# Altium PCB keyboard_main.PcbDoc (part 1 of 2) (continued)
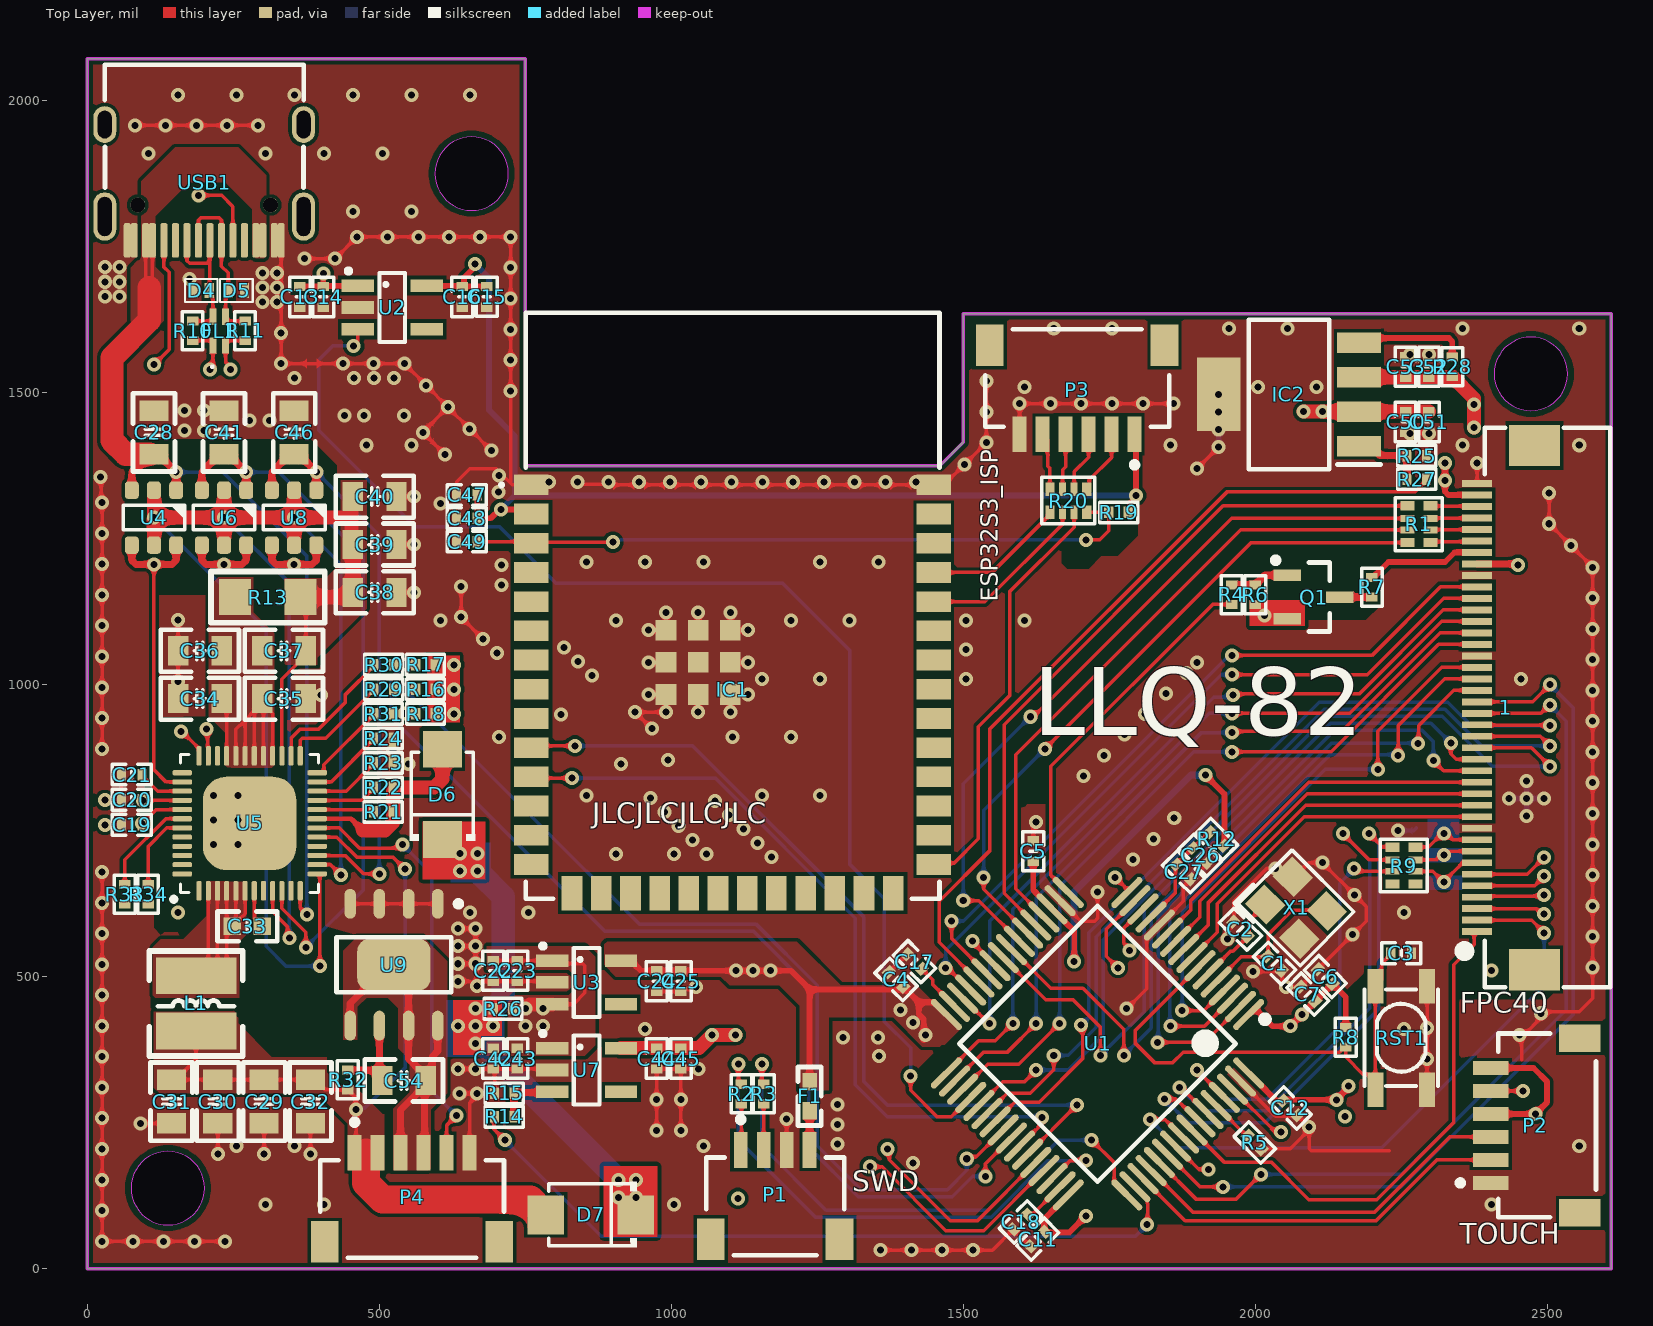
[diagram p0: Top Layer view]
## Components (designator, comment, footprint, x,y, rotation, side; value= is the part's Value field where it differs from the comment)
1 "FPC1.0-40P" "FPC0.5 2H-WS-40P" 2478.31,960.75 r90 top locked
C1 "22pF" "C 0402_L" 2033.24,522.56 r315 top
C2 "22pF" "C 0402_L" 1974.78,581.02 r135 top
C3 "0.1uF" "C 0402_L" 2250,540 r0 top
C4 "0.1uF" "C 0402_L" 1385,495 r315 top
C5 "0.1uF" "C 0402_L" 1620,715 r270 top
C6 "0.1uF" "C 0402_L" 2120,500 r315 top
C7 "0.1uF" "C 0402_L" 2090,470 r315 top
C8 "47pF" "C 0402_L" 2360,755 r180 bottom
C9 "47pF" "C 0402_L" 2360,708.34 r180 bottom
C10 "47pF" "C 0402_L" 2360,661.67 r180 bottom
C11 "0.1uF" "C 0402_L" 1627.5,50.43 r45 top
C12 "2.2uF" "C 0402_L" 2060,275 r135 top
C13 "4.7uF" "C 0402_L" 364,1663.94 r270 top
C14 "0.1uF" "C 0402_L" 404,1663.94 r270 top
C15 "4.7uF" "C 0402_L" 684,1664 r270 top
C16 "0.1uF" "C 0402_L" 642,1663.94 r270 top
C17 "2.2uF" "C 0402_L" 1416.46,525.61 r315 top
C18 "2.2uF" "C 0402_L" 1598.18,79.75 r45 top
C19 "330pF" "C 0402_L" 76,760 r180 top
C20 "330pF" "C 0402_L" 76,803 r180 top
C21 "330pF" "C 0402_L" 76,846 r180 top
C22 "4.7uF" "C 0402_L" 695,509.68 r270 top
C23 "0.1uF" "C 0402_L" 736.33,509.68 r270 top
C24 "4.7uF" "C 0402_L" 975,492.28 r270 top
C25 "0.1uF" "C 0402_L" 1016.43,492.28 r270 top
C26 "4.7uF" "C 0402_L" 1905.68,707.75 r315 top
C27 "0.1uF" "C 0402_L" 1877.4,679.47 r315 top
C28 "22uF" "C 0805_L" 114,1432 r270 top
C29 "22uF" "C 0805_L" 302.67,286 r90 top
C30 "22uF" "C 0805_L" 223.33,286 r90 top
C31 "22uF" "C 0805_L" 144,286 r90 top
C32 "0.1uF" "C 0805_L" 382,286 r90 top
C33 "0.1uF" "C 0603_L" 274,586 r180 top
C34 "22uF" "C 0805_L" 192.6,976 r0 top
C35 "22uF" "C 0805_L" 336.6,976 r180 top
C36 "22uF" "C 0805_L" 192.6,1058.01 r0 top
C37 "0.1uF" "C 0805_L" 336.6,1058.01 r0 top
C38 "22uF" "C 0805_L" 492,1158 r180 top
C39 "22uF" "C 0805_L" 492,1240 r180 top
C40 "0.1uF" "C 0805_L" 492,1322 r180 top
C41 "22uF" "C 0805_L" 234,1432 r270 top
C42 "4.7uF" "C 0402_L" 695,359.68 r270 top
C43 "0.1uF" "C 0402_L" 736.33,359.68 r270 top
C44 "4.7uF" "C 0402_L" 975,359.68 r270 top
C45 "0.1uF" "C 0402_L" 1016.43,359.68 r270 top
C46 "22uF" "C 0805_L" 354,1432 r270 top
C47 "0.1uF" "C 0402_L" 650,1325 r0 top
C48 "4.7uF" "C 0402_L" 650,1285 r0 top
C49 "1uF" "C 0402_L" 650,1245 r180 top
C50 "4.7uF" "C 0402_L" 2257.63,1449.82 r270 top
C51 "0.1uF" "C 0402_L" 2297.62,1449.82 r270 top
C52 "4.7uF" "C 0402_L" 2297.62,1544.31 r90 top
C53 "0.1uF" "C 0402_L" 2257.62,1544.31 r90 top
C54 "0.1uF" "C 0805_L" 542.12,322 r180 top
D1 "PESD5V0F1BL,315" SOD-882_L1.0-W0.6-BI 2290,755 r180 bottom
D2 "PESD5V0F1BL,315" SOD-882_L1.0-W0.6-BI 2290,708.33 r180 bottom
D3 "PESD5V0F1BL,315" SOD-882_L1.0-W0.6-BI 2290,661.67 r180 bottom
D4 "PESD5V0F1BL,315" SOD-882_L1.0-W0.6-BI 195,1675 r180 top
D5 "PESD5V0F1BL,315" SOD-882_L1.0-W0.6-BI 255,1675 r0 top
D6 "SSL34F" SMAF_L3.5-W2.6-LS4.7-RD 608,812 r90 top
D7 "SSL34F" SMAF_L3.5-W2.6-LS4.7-RD 862,92 r180 top
F1 "0.6A" "FU 0402" 1236.91,295 r270 top
FL1 "DLP11SN900HL2B" DLP11SA350HL2B 225.83,1605.39 r90 top
IC1 "ESP32-S3-WROOM-1" ESP32S3WROOM1 1105,1135 r0 top
IC2 "LP3875EMP-3.3_NOPB" SOT150P700X180-5N 2057.62,1497.06 r180 top
L1 "2.2uH" CD32 186,454 r90 top
P1 "SWD" JST-SM04B-SRSS-TB_V 1177.86,106.54 r0 top
P2 "TOUCH" JST-SM06B-SRSS-TB_V 2500,245 r90 top
P3 "ESP32_ISP" JST-SM06B-SRSS-TB_V 1695,1525 r180 top
P4 "TOUCH" JST-SM06B-SRSS-TB_V 556,102 r0 top
Q1 "SS8550" SOT23-3N 2100,1150 r270 top
R1 "22R" RCA-8P4R-0402 2280.31,1274.84 r270 top
R2 "0R" "R 0402_L" 1120,300 r270 top
R3 "0R" "R 0402_L" 1158.18,300 r270 top
R4 "1K" "R 0402_L" 1960,1153.04 r90 top
R5 "10K" "R 0402_L" 1998.61,216.39 r315 top
R6 "10K" "R 0402_L" 2000,1155 r270 top
R7 "10R" "R 0402_L" 2200,1167.71 r270 top
R8 "10K" "R 0402_L" 2155,395 r90 top
R9 "0R" RCA-8P4R-0402 2254.69,690.16 r270 top
R10 "22R" "R 0402_L" 180,1605 r90 top
R11 "22R" "R 0402_L" 270,1605 r90 top
R12 "0R" "R 0402_L" 1935,735 r135 top
R13 "5mR" "R 1206_L" 308,1150 r0 top
R14 "10R" "R 0402_L" 713.04,260 r0 top
R15 "10K" "R 0402_L" 715,300 r180 top
R16 "4.7K" "R 0402_L" 580,992 r180 top
R17 "4.7K" "R 0402_L" 580,1034 r180 top
R18 "4.7K" "R 0402_L" 580,950 r180 top
R19 "10K" "R 0402_L" 1765,1295 r0 top
R20 "0R" RCA-8P4R-0402 1680,1315 r180 top
R21 "10K" "R 0402_L" 505.75,782 r0 top
R22 "10K" "R 0402_L" 505.75,824 r0 top
R23 "10K" "R 0402_L" 505.75,866 r0 top
R24 "0R" "R 0402_L" 505.75,908 r0 top
R25 "10K" "R 0402_L" 2277.62,1392.06 r180 top
R26 "0R" "R 0402_L" 710.75,445 r0 top
R27 "10R" "R 0402_L" 2277.62,1352.06 r180 top
R28 "0R" "R 0402_L" 2337.62,1545.29 r270 top
R29 "0R" "R 0402_L" 508.29,992 r180 top
R30 "0R" "R 0402_L" 508.75,1034.15 r180 top
R31 "0R" "R 0402_L" 508,950 r180 top
R32 "1K" "R 0402_L" 446,322 r90 top
R33 "0R" "R 0402_L" 64,642 r270 top
R34 "0R" "R 0402_L" 104,642 r270 top
R35 "0R" "R 0402_L" 75.02,760 r0 bottom
R36 "0R" "R 0402_L" 75.02,802 r0 bottom
RST1 "KEY_M" SMD-3.2*4.2 2250,395 r90 top
U1 "STM32F405RGT6_LQFP64" LQFP-64_10X10X05P 1730,385 r225 top locked
U2 "RT9013-33GB" SOT23-5M 522,1646 r270 top
U3 "RT9013-33GB" SOT23-5M 855,490 r270 top
U4 "UT8205A" SOT23-6 114,1286 r270 top
U5 "SW6208" QFN-48_6x6 277.87,762.45 r90 top
U6 "UT8205A" SOT23-6 234,1286 r270 top
U7 "RT9013-33GB" SOT23-5M 855,340 r270 top
U8 "UT8205A" SOT23-6 354,1286 r270 top
U9 "XB8886A" SO-8-PAD 525,520.33 r270 top
USB1 "USB_Type-C" Type-C-TOP 200,1860 r90 top locked
X1 "12M" "OSC 3225-4P" 2070.04,617.82 r315 top

## Footprints (in the part's own frame and the unit in brackets; to place one, negate y for a bottom-side part, rotate by r counter-clockwise, add the part's x,y. Pads: shape width x height; smd on the part's side, far side on the other; paste and mask are expansions set on the pad)
"C 0402_L" [mm] "无极性贴片电容         淘宝ID:黄晶宝石"
  rect 0.4x0.5 smd: 1(-0.45,0) 2(0.45,0)
  silkscreen extent -0.85,-0.45 0.85,0.45, body extent -0.5,-0.26 0.5,0.26, height 0.53
"C 0603_L" [mil] "无极性贴片电容                                       淘宝ID:黄晶宝石"
  rect 30x30 smd: 1(-25.59,0) 2(25.59,0)
  silkscreen extent -51,-26 51,26, body extent -31,-16 31,16, height 32
"C 0805_L" [mil] "无极性贴片电容                                        淘宝ID:黄晶宝石"
  rect 35x50 smd: 1(-37.4,0) 2(37.4,0)
  silkscreen extent -67,-36 67,36, body extent -39,-24 39,24, height 20
CD32 [mm] "3.5*3*2mm（长宽高）        淘宝ID:黄晶宝石"
  rect 1.6x3.5 smd: 1(-1.2,0) 2(1.2,0)
  silkscreen extent -2.29,-2.03 2.29,2.03, body extent -1.71,-1.5 1.71,1.5, height 2.15
DLP11SA350HL2B [mm]
  rect 0.7x0.3 smd: 1(-0.625,0.275) 2(0.625,0.275) 3(0.625,-0.275) 4(-0.625,-0.275)
  silkscreen extent -1.6,0.25 -1.5,0.35, body extent -0.63,-0.5 0.63,0.5, height 0.82
ESP32S3WROOM1 [mm]
  rect 1.5x0.9 smd: 1(-8.75,5.26) 2(-8.75,3.99) 3(-8.75,2.72) 4(-8.75,1.45) 5(-8.75,0.18) 6(-8.75,-1.09) 7(-8.75,-2.36) 8(-8.75,-3.63) 9(-8.75,-4.9) 10(-8.75,-6.17) 11(-8.75,-7.44) 12(-8.75,-8.71) 13(-8.75,-9.98) 14(-8.75,-11.25) 27(8.75,-11.25) 28(8.75,-9.98) 29(8.75,-8.71) 30(8.75,-7.44) 31(8.75,-6.17) 32(8.75,-4.9) 33(8.75,-3.63) 34(8.75,-2.36) 35(8.75,-1.09) 36(8.75,0.18) 37(8.75,1.45) 38(8.75,2.72) 39(8.75,3.99) 40(8.75,5.26)
  rect 0.9x1.5 smd: 15(-6.985,-12.5) 16(-5.715,-12.5) 17(-4.445,-12.5) 18(-3.175,-12.5) 19(-1.905,-12.5) 20(-0.635,-12.5) 21(0.635,-12.5) 22(1.905,-12.5) 23(3.175,-12.5) 24(4.445,-12.5) 25(5.715,-12.5) 26(6.985,-12.5)
  rect 0.9x0.9 smd: 41(-1.5,-2.46) 42(-1.5,-1.06) 43(-2.9,-1.06) 44(-2.9,-2.46) 45(-2.9,-3.86) 46(-1.5,-3.86) 47(-0.1,-3.86) 48(-0.1,-2.46) 49(-0.1,-1.06)
  silkscreen extent -10.1,-12.75 9,12.75, body extent -8.98,-12.78 9.04,12.73, height 3.11
"FPC0.5 2H-WS-40P" [mm] "长：24.2mm，宽：5.2mm，高：2mm 淘宝ID:黄晶宝石   店铺网址:https://shop463601444.taobao.com"
  rect 1.8x2.2 smd: 0(-11.4,0) 0(11.4,0)
  rect 0.3x1.3 smd: 1(-9.75,2.497) 2(-9.25,2.497) 3(-8.75,2.497) 4(-8.25,2.497) 5(-7.75,2.497) 6(-7.25,2.497) 7(-6.75,2.497) 8(-6.25,2.497) 9(-5.75,2.497) 10(-5.25,2.497) 11(-4.75,2.497) 12(-4.25,2.497) 13(-3.75,2.497) 14(-3.25,2.497) 15(-2.75,2.497) 16(-2.25,2.497) 17(-1.75,2.497) 18(-1.25,2.497) 19(-0.75,2.497) 20(-0.25,2.497) 21(0.25,2.497) 22(0.75,2.497) 23(1.25,2.497) 24(1.75,2.497) 25(2.25,2.497) 26(2.75,2.497) 27(3.25,2.497) 28(3.75,2.497) 29(4.25,2.497) 30(4.75,2.497) 31(5.25,2.497) 32(5.75,2.497) 33(6.25,2.497) 34(6.75,2.497) 35(7.25,2.497) 36(7.75,2.497) 37(8.25,2.497) 38(8.75,2.497) 39(9.25,2.497) 40(9.75,2.497)
  silkscreen extent -12.17,-3.3 12.17,3.23, body extent -12.1,-3.15 12.1,2.85, height 2
"FU 0402" [mil] "贴片保险丝          淘宝ID:黄晶宝石"
  rect 30x25 smd: 1(-25,0) 2(25,0)
  silkscreen extent -50,-20 50,20, body extent -20,-10 20,10, height 15
JST-SM04B-SRSS-TB_V [mm] "SMD, 4-Leads, Body 6x4.25mm, Pitch 1mm"
  rect 0.6x1.55 smd: 1(-1.5,2.45) 2(-0.5,2.45) 3(0.5,2.45) 4(1.5,2.45)
  rect 1.2x1.8 smd: MP1(-2.8,-1.425) MP2(2.8,-1.425)
  silkscreen extent -3,-2.12 3,3.9, body extent -3,-2.12 3,2.83, height 2.9
JST-SM06B-SRSS-TB_V [mm] "SMD, 6-Leads, Body 8x4.25mm, Pitch 1mm"
  rect 0.6x1.55 smd: 1(-2.5,2.45) 2(-1.5,2.45) 3(-0.5,2.45) 4(0.5,2.45) 5(1.5,2.45) 6(2.5,2.45)
  rect 1.2x1.8 smd: MP1(-3.8,-1.425) MP2(3.8,-1.425)
  silkscreen extent -4,-2.12 4,3.9, body extent -4,-2.12 4,2.83, height 2.9
LQFP-64_10X10X05P [mil]
  oval 70.7x11.02 smd: 1(-218.5,147.64) 2(-218.5,127.95) 3(-218.5,108.27) 4(-218.5,88.58) 5(-218.5,68.9) 6(-218.5,49.21) 7(-218.5,29.53) 8(-218.5,9.84) 9(-218.5,-9.84) 10(-218.5,-29.53) 11(-218.5,-49.21) 12(-218.5,-68.9) 13(-218.5,-88.58) 14(-218.5,-108.27) 15(-218.5,-127.95) 16(-218.5,-147.64) 33(218.5,-147.64) 34(218.5,-127.95) 35(218.5,-108.27) 36(218.5,-88.58) 37(218.5,-68.9) 38(218.5,-49.21) 39(218.5,-29.53) 40(218.5,-9.84) 41(218.5,9.84) 42(218.5,29.53) 43(218.5,49.21) 44(218.5,68.9) 45(218.5,88.58) 46(218.5,108.27) 47(218.5,127.95) 48(218.5,147.64)
  oval 11.02x70.7 smd: 17(-147.64,-218.5) 18(-127.95,-218.5) 19(-108.27,-218.5) 20(-88.58,-218.5) 21(-68.9,-218.5) 22(-49.21,-218.5) 23(-29.53,-218.5) 24(-9.84,-218.5) 25(9.84,-218.5) 26(29.53,-218.5) 27(49.21,-218.5) 28(68.9,-218.5) 29(88.58,-218.5) 30(108.27,-218.5) 31(127.95,-218.5) 32(147.64,-218.5) 49(147.64,218.5) 50(127.95,218.5) 51(108.27,218.5) 52(88.58,218.5) 53(68.9,218.5) 54(49.21,218.5) 55(29.53,218.5) 56(9.84,218.5) 57(-9.84,218.5) 58(-29.53,218.5) 59(-49.21,218.5) 60(-68.9,218.5) 61(-88.58,218.5) 62(-108.27,218.5) 63(-127.95,218.5) 64(-147.64,218.5)
  silkscreen extent -238,-167 167,179, body extent -232,-232 232,232, height 61
"OSC 3225-4P" [mm] "3.2*2.5*0.7mm(长宽高)                         淘宝ID:黄晶宝石"
  rect 1.3x1.2 smd: 1(-1.05,-0.85) 2(1.05,-0.85) 3(1.05,0.85) 4(-1.05,0.85)
  silkscreen extent -2.03,-1.75 1.91,1.65, body extent -1.6,-1.25 1.6,1.25, height 0.7
QFN-48_6x6 [mm]
  rrect50% 0.84x0.22 smd: 1(-2.935,2.2) 2(-2.935,1.8) 3(-2.935,1.4) 4(-2.935,1) 5(-2.935,0.6) 6(-2.935,0.2) 7(-2.935,-0.2) 8(-2.935,-0.6) 9(-2.935,-1) 10(-2.935,-1.4) 11(-2.935,-1.8) 12(-2.935,-2.2) 25(2.935,-2.2) 26(2.935,-1.8) 27(2.935,-1.4) 28(2.935,-1) 29(2.935,-0.6) 30(2.935,-0.2) 31(2.935,0.2) 32(2.935,0.6) 33(2.935,1) 34(2.935,1.4) 35(2.935,1.8) 36(2.935,2.2)
  rrect50% 0.22x0.84 smd: 13(-2.2,-2.935) 14(-1.8,-2.935) 15(-1.4,-2.935) 16(-1,-2.935) 17(-0.6,-2.935) 18(-0.2,-2.935) 19(0.2,-2.935) 20(0.6,-2.935) 21(1,-2.935) 22(1.4,-2.935) 23(1.8,-2.935) 24(2.2,-2.935) 37(2.2,2.935) 38(1.8,2.935) 39(1.4,2.935) 40(1,2.935) 41(0.6,2.935) 42(0.2,2.935) 43(-0.2,2.935) 44(-0.6,2.935) 45(-1,2.935) 46(-1.4,2.935) 47(-1.8,2.935) 48(-2.2,2.935)
  rrect50% 4.064x4.064 smd paste-3: 49(0,0)
  silkscreen extent -3.4,-3 3,3.4, body extent -3,-3 3,3, height 0.9
"R 0402_L" [mm] "1/16W贴片电阻     淘宝ID:黄晶宝石"
  rect 0.4x0.5 smd: 1(-0.4,0) 2(0.45,0)
  silkscreen extent -0.8,-0.45 0.85,0.45, body extent -0.5,-0.25 0.5,0.25, height 0.3
"R 1206_L" [mil] "1/4W贴片电阻"
  rect 55x62 smd: 1(-55.12,0) 2(57.09,0)
  silkscreen extent -96,-44 98,44, body extent -63,-31 63,32, height 22
RCA-8P4R-0402 [mm] "2mm*1mm*0.45mm(长*宽*厚)"
  rect 0.4x0.6 smd: 1(-0.8,-0.5) 4(0.8,-0.5) 5(0.8,0.5) 8(-0.8,0.5)
  rect 0.3x0.6 smd: 2(-0.25,-0.5) 3(0.25,-0.5) 6(0.25,0.5) 7(-0.25,0.5)
  silkscreen extent -1.14,-1.02 1.15,1.01, body extent -1,-0.5 1,0.5, height 0.45
SMAF_L3.5-W2.6-LS4.7-RD [mm]
  rect 1.6x1.7 smd: 1(-1.96,0) 2(1.96,0)
  silkscreen extent -2.01,-1.43 1.83,1.42, body extent -2.5,-1.27 2.6,1.33, height 2.15
SMD-3.2*4.2 [mm]
  rect 1.5x0.7 smd: 1(-2.25,1.125) 1(2.25,1.125) 2(-2.25,-1.125) 2(2.25,-1.125)
  silkscreen extent -2.1,-1.6 2.1,1.6, body extent -2.73,-1.6 2.47,1.58, height 1.8
SO-8-PAD [mm]
  oval 1.3x0.5 smd: 1(-2.65,1.905) 2(-2.65,0.635) 3(-2.65,-0.635) 4(-2.65,-1.905) 5(2.65,-1.905) 6(2.65,-0.635) 7(2.65,0.635) 8(2.65,1.905)
  rrect50% 2.3x3.2 smd: 9(0,0)
  silkscreen extent -2.77,-2.5 1.2,2.93, body extent -2.89,-2.44 2.89,2.46, height 1.45
SOD-882_L1.0-W0.6-BI [mm]
  rect 0.4x0.65 smd: 1(-0.35,0) 2(0.35,0)
  silkscreen extent -0.71,-0.5 0.71,0.5, body extent -0.51,-0.3 0.49,0.3, height 0.43
SOT23-3N [mm] "3x1.3x1mm(长宽高)    封装库来自淘宝卖家 ID：黄晶宝石"
  rect 0.5x1.2 smd: 1(-0.95,-1.143) 2(0.95,-1.143) 3(0,1.143)
  silkscreen extent -1.72,-1.78 1.5,0.7, body extent -1.5,-1.2 1.5,1.2, height 1.05
SOT23-5M [mm] "3x1.6x1.1mm(长宽高) 封装库来自淘宝卖家 ID：黄晶宝石"
  rect 0.55x1.4 smd: 1(-0.95,-1.5) 2(0,-1.5) 3(0.95,-1.5) 4(0.95,1.5) 5(-0.95,1.5)
  silkscreen extent -1.66,-1.98 1.5,0.56, body extent -1.5,-1.4 1.5,1.4, height 1.15
SOT23-6 [mil]
  rrect50% 30x24 smd: 1(-47,38) 2(-47,0) 3(-47,-38) 4(47,-38) 5(47,0) 6(47,38)
  silkscreen extent -21,-53 21,53, body extent -55,-57 55,57, height 57
SOT150P700X180-5N [mm]
  rect 1.9x0.9 smd: 1(-3.05,2.25) 2(-3.05,0.75) 3(-3.05,-0.75) 4(-3.05,-2.25)
  rect 1.9x3.2 smd: 5(3.05,0)
  silkscreen extent -4,-3.25 1.75,3.25, body extent -3.48,-3.25 3.48,3.25, height 1.69
Type-C-TOP [mm]
  round 0.65 hole 0.65: 0(-0.98,2.89) 0(-0.98,-2.89)
  oval 1.6x1 hole 0.6 slot 1.2 at 0 deg: 1(2.52,4.325) 2(2.52,-4.325)
  oval 2.1x1 hole 0.6 slot 1.7 at 0 deg: 3(-1.48,-4.325) 4(-1.48,4.325)
  rrect50% 1.5x0.3 smd: A1(-2.52,-3.35) A4(-2.52,-2.55) A5(-2.52,-1.25) A6(-2.52,-0.25) A7(-2.52,0.25) A8(-2.52,1.25) A9(-2.52,2.55) A12(-2.52,3.35) B1(-2.52,3.05) B4(-2.52,2.25) B5(-2.52,1.75) B6(-2.52,0.75) B7(-2.52,-0.75) B8(-2.52,-1.75) B9(-2.52,-2.25) B12(-2.52,-3.05)
  silkscreen extent -0.22,-4.33 5.12,4.33, body extent -2.64,-4.48 5.26,4.46, height 3.28

## Part data
1: library part FPC-40P, "FPC连接器", BOM名称=FPC连接器, 学习资源=https://lmdzstyle.taobao.com/, 版权归属=黎明电子style
C1 C2 C3 C4 C5 C6 C7 C8 C9 C10 C11 C12 C13 C14 C15 C16 C17 C18 C19 C20 C21 C22 C23 C24 C25 C26 C27 C28 C29 C30 C31 C32 C33 C34 C35 C36 C37 C38 C39 C40 C41 C42 C43 C44 C45 C46 C47 C48 C49 C50 C51 C52 C53 C54: library part C, "贴片电容"
D1 D2 D3 D4 D5: "PESD5V0F1BL,315、ESD二极管、5.5V"
D6 D7: library part SSL34F_C1884559, BOM_JLCPCB Part Class="Extended Part", BOM_Manufacturer=YFW佑风微, BOM_Manufacturer Part=SSL34F, BOM_Supplier=LCSC, BOM_Supplier Part=C1884559, Contributor=LCSC, spicePre=D, spiceSymbolName=SSL34F_C1884559
F1: library part FU, "贴片保险丝"
FL1: "Filter", Manufacturer_Name="Murata Electronics", Mouser Part Number=81-DLP11SN900HL2B, Datasheet Link=https://www.murata.com/en-us/products/productdetail?partno=DLP11SN900HL2%23, Height=0.92mm, Manufacturer_Part_Number=DLP11SN900HL2B, Mouser Price/Stock=https://www.mouser.co.uk/ProductDetail/Murata-Electronics/DLP11SN900HL2B?qs=%2F%252BYoplLUB5ikZtvOhZcMEg%3D%3D
IC1: "Integrated Circuit", Manufacturer_Name="Espressif Systems", Datasheet Link=https://www.mouser.com/catalog/specsheets/Espressif_ESP32_S3_WROOM_1_1U_Preliminary.pdf, Height=3.25mm, Manufacturer_Part_Number=ESP32-S3-WROOM-1
IC2: "Integrated Circuit", Arrow Part Number=LP3875EMP-3.3/NOPB, Manufacturer_Name="Texas Instruments", Mouser Part Number=926-LP3875EMP33NOPB, Arrow Price/Stock=https://www.arrow.com/en/products/lp3875emp-3.3nopb/texas-instruments, Datasheet Link=http://www.ti.com/lit/ds/symlink/lp3875.pdf, Height=1.8mm, Manufacturer_Part_Number=LP3875EMP-3.3/NOPB, Mouser Price/Stock=https://www.mouser.co.uk/ProductDetail/Texas-Instruments/LP3875EMP-33-NOPB/?qs=1FNqv8aZn1T8BQ9vh08sWQ%3D%3D
L1: library part L-SMD, "CD系列贴片线绕功率电感"
P1: library part SM04B-SRSS-TB(LF)(SN), "Male Header, Pitch 1 mm, 1 x 4 Position, Height 2.9 mm, -25 to 85 degC, RoHS, Tape and Reel", Manufacturer=JST, Package Description="Male Header, Pitch 1 mm, 1 x 4 Position, Height 2.9 mm", Datasheet URL=http://www.jst-mfg.com/product/pdf/eng/eSR.pdf, Datasheet Version=05/2016, Manufacturer URL=http://www.jst.com/home2.html, Mounting Technology=SurfaceMount, No of Positions=4, Package Reference=SM04B-SRSS-TB(LF)(SN), Pitch=1mm, Style/Orientation=RightAngleHeader/Plug, Termination=Crimp, Type=ShroudedHeader
P2 P3 P4: library part SM06B-SRSS-TB(LF)(SN), "Male Header, Pitch 1 mm, 1 x 6 Position, Height 2.9 mm, -25 to 85 degC, RoHS, Tape and Reel", Manufacturer=JST, Package Description="Male Header, Pitch 1 mm, 1 X 6 Position, Height 2.9 mm", Datasheet URL=http://www.jst-mfg.com/product/pdf/eng/eSR.pdf, Datasheet Version=05/2016, Manufacturer URL=http://www.jst.com/home2.html, Mounting Technology=SurfaceMount, No of Positions=6, Package Reference=SM06B-SRSS-TB(LF)(SN), Pitch=1mm, Style/Orientation=RightAngleHeader/Plug, Termination=Solder, Type=ShroudedHeader
Q1: library part 8550-SMD, "高频放大-PNP型"
R1 R9 R20: library part R-8P4R, "贴片排阻"
R2 R3 R4 R5 R6 R7 R8 R10 R11 R12 R13 R14 R15 R16 R17 R18 R19 R21 R22 R23 R24 R25 R26 R27 R28 R29 R30 R31 R32 R33 R34 R35 R36: library part R, "贴片电阻"
U5: "充电宝芯片"
U9: Package="SOIC-8 Texas Instruments", Availability=Unavailable, MF="Texas Instruments", MP=NE5532D, Price=None, SnapEDA_Link=https://www.snapeda.com/parts/NE5532D/Texas%20Instruments/view-part/4299479/?ref=snap
X1: library part XTAL-4P, "4脚无源晶振"

## Via types
v1: diameter 24, hole 12, Top Layer to Bottom Layer, tented both sides, 470 vias
v2: diameter 24, hole 12, Top Layer to Bottom Layer, 3 vias

## Nets (pads, with @x,y where several pads share a name; then routed paths per layer and width w, separated by ;. In a path a pad name is that pad's centre, name@x,y a point inside that pad or via, vN(x,y) a via of type N, cw(c..) or ccw(c..) an arc to the next point about the centre after c; other vN are vias at no path point)
AVCC3V3: C26.1 C27.1 R12.2 U1.13 | length 188.3
  Top Layer w6: U1.13@1821.87,602.14 1863.48,643.75 1863.48,690.6 C27.1@1864.87,691.99 C26.1@1893.16,720.28 1894.19,720.28 1921.44,747.53 R12.2@1922.48,747.53
BAT+: C29.2 C30.2 C31.2 C32.2 D7.2 L1.1 P4.1 P4.2 R32.1 U5.17 | length 1552.8
  Top Layer w6: C31.2@144,323.4 C31.2@151.5,323.4 ; L1.1@186,406.76 186,357.9 C31.2@151.5,323.4 ; U5.17@393.43,738.83 427.07,738.83 461.89,704 524,704 v1(544,684) ; 477.26,198.46 P4.1@457.57,198.46 460,200.88 v1(460,272) 459.25,272.75 459.25,293 452.85,299.41 452.85,301.37 447.97,306.25 406.65,306.25 389.5,323.4 C32.2@382,323.4 C29.2@302.67,323.4 C30.2@223.34,323.4 C31.2@151.5,323.4
  Top Layer w48: 477.26,198.46 477.26,146.12 505.38,118 758.84,118 775.38,101.46 777.34,101.46 784.84,93.97 D7.2@784.84,92
  Bottom Layer w6: v1(460,272) 462.85,274.85 474.85,274.85 509.72,309.72 544,344 v1(544,684)
BAT-: C54.1 P4.3 P4.4 U9.5 U9.7 U9.8 U9.9 | length 720.3
  Top Layer w12: U9.5@450,416 450,454.04 516.29,520.33 U9.9@525,520.33 550,495.33 U9.7@550,416 550,359.03 579.53,329.5 C54.1@579.53,322 ; P4.3@536.31,198.46 536.31,271.29 C54.1@577.61,312.58 ; P4.4@575.68,198.46 577.61,200.38 C54.1@577.61,312.58 ; U9.8@600,416 600,372.41 591.03,363.44 591.03,333.5 C54.1@579.53,322 ; C54.1@577.61,312.58 577.61,320.08 C54.1@579.53,322
BOOT0: R5.1 U1.60 | length 75.7
  Top Layer w6: U1.60@1933.22,279.22 1984.92,227.52 R5.1@1987.47,227.52
BST: C33.1 U5.7 | length 66.6
  Top Layer w6: U5.7@285.75,646.9 285.75,599.85 C33.1@299.59,586
CC1: C19.1 R35.2 U5.41 | length 80.6
  Top Layer w6: C19.1@93.72,760 v1(93.72,761.97) 117.82,786.07 U5.41@162.32,786.07
CC2: C20.1 R36.2 U5.40 | length 69.1
  Top Layer w6: C20.1@93.72,803 v1(94.9,801.82) U5.40@162.32,801.82
CCL/WLED: C21.1 U5.39 | length 81.5
  Top Layer w6: C21.1@93.72,846 93.72,844.03 120.18,817.57 U5.39@162.32,817.57
CHIP_PU: C49.1 IC1.3 R19.1 R20.8 | length 1161.1
  Top Layer w6: C49.1@667.72,1245 757.6,1245 IC1.3@760.51,1242.09 762.43,1244 v1(900,1244) ; v1(1710,1248) 1734,1248 1749.25,1263.25 R19.1@1749.25,1295 1748.93,1295.32 R20.8@1711.5,1295.32
  Bottom Layer w6: v1(900,1244) 903.44,1247.44 911.96,1247.44 912.51,1248 v1(1710,1248)
DATA: U5.8
DMA1: U5.46
DMA2: U5.48
DMB: U5.44
DMC: R33.1 U5.42 | length 169.6
  Top Layer w6: R33.1@64,657.75 64,699.84 134.48,770.32 U5.42@162.32,770.32
DPA1: U5.47
DPA2: U5.1
DPB: U5.45
DPC: R34.1 U5.43 | length 136.6
  Top Layer w6: R34.1@104,657.75 104,722.87 135.71,754.57 U5.43@162.32,754.57
ESP32_EN: U1.36 U2.3 | length 2219.6
  Top Layer w6: v1(456,1580) 462.94,1586.94 U2.3@462.94,1608.6 ; v1(1410,330) 1410,305 1455,260 1479.73,260 U1.36@1512.86,293.13
  Bottom Layer w6: v1(456,1580) 420,1580 396,1556 396,1435.51 561.51,1270 706,1270 802,1174 1190,1174 1306,1058 1306,692 1365,633 1365,423 1410,378 v1(1410,330)
GATE_A1: U5.36 U6.4 U6.6 | length 506.2
  Top Layer w6: v1(160,920) 161.46,920 191.26,890.2 U5.36@191.26,878
  Top Layer w12: U6.4@196,1239 196,1213.03 203.03,1206 v1(234,1206) 264.97,1206 272,1213.03 U6.6@272,1239
  PWR w6: v1(160,920) 234,994 v1(234,1206)
GATE_A2: U5.35 U8.4 U8.6 | length 525.1
  Top Layer w6: v1(204,924) 205.68,922.32 205.68,879.33 U5.35@207.01,878
  Top Layer w12: U8.4@316,1239 316,1213.03 323.03,1206 v1(354,1206) 384.97,1206 392,1213.03 U8.6@392,1239
  PWR w6: v1(204,924) 354,1074 v1(354,1206)
GATE_B: U5.37
GATE_C: U4.4 U4.6 U5.38 | length 542.7
  Top Layer w6: v1(114,1206) 114,854 134.69,833.31 U5.38@162.32,833.31
  Top Layer w12: U4.4@76,1239 76,1213.03 83.03,1206 v1(114,1206) 144.97,1206 152,1213.03 U4.6@152,1239
GATEL: U5.34
GND: 1.10 1.25 1.32 1.40 C1.2 C2.2 C3.2 C4.1 C5.1 C6.1 C7.1 C8.1 C9.1 C10.1 C11.1 C12.1 C13.2 C14.2 C15.2 C16.2 C17.1 C18.1 C19.2 C20.2 C21.2 C22.2 C23.2 C24.2 C25.2 C26.2 C27.2 C28.1 C29.1 C30.1 C31.1 C32.1 C34.1 C35.1 C36.1 C38.1 C39.1 C40.1 C41.1 C42.2 C43.2 C44.2 C45.2 C46.1 C47.1 C48.1 C49.2 C50.2 C51.2 C52.2 C53.2 D1.2 D2.2 D3.2 D4.2 D5.2 IC1.1 IC1.40 IC1.41 IC1.42 IC1.43 IC1.44 IC1.45 IC1.46 IC1.47 IC1.48 IC1.49 IC2.5 P1.3 P2.1 P3.6 P4.6 R5.2 R15.2 R23.2 R24.2 R25.1 RST1.2 U1.12 U1.18 U1.63 U2.2 U3.2 U5.49 U7.2 U9.1 U9.2 U9.3 U9.4 USB1.A1 USB1.A12 USB1.B1 USB1.B12 X1.2 X1.4 | length 10477.7
  Top Layer w6: v1(22,1355.69) 23.5,1354.19 23.5,1313.23 v1(25,1311.73) v1(25,1259.02) v1(25,1206.3) v1(25,1153.58) v1(25,1100.87) v1(25,1048.15) v1(25,995.43) v1(25,942.72) v1(25,890) ; v1(25,679.13) v1(25,626.42) v1(25,573.7) v1(25,520.98) v1(25,468.27) v1(25,415.55) v1(25,362.83) v1(25,310.12) v1(25,257.4) v1(25,204.68) v1(25,151.97) v1(25,99.25) v1(25,46.53) v1(77.72,46.53) v1(130.43,46.53) v1(183.15,46.53) v1(235.87,46.53) ; C19.2@58.29,760 C20.2@58.29,803 C21.2@58.29,846 ; v1(81.28,1958) v1(134,1958) v1(186.72,1958) v1(239.43,1958) v1(292.15,1958) ; v1(91.29,248.6) C31.1@144,248.6 ; v1(155.2,1005.29) C36.1@155.2,1058.01 v1(155.2,1110.72) ; v1(223.34,195.88) C30.1@223.34,248.6 ; v1(302.67,195.88) C29.1@302.67,248.6 ; USB1.A1@331.89,1760.79 v1(331.89,1602.64) v1(331.89,1549.92) 384.61,1549.92 v1(437.32,1549.92) v1(490.04,1549.92) v1(542.76,1549.92) v1(580.03,1512.64) v1(617.31,1475.37) ; v1(371.42,1729.46) v1(424.14,1729.46) v1(461.42,1766.73) v1(514.13,1766.73) v1(566.85,1766.73) v1(619.57,1766.73) v1(672.28,1766.73) v1(725,1766.73) v1(725,1714.02) v1(725,1661.3) v1(725,1608.58) v1(725,1555.87) v1(725,1503.15) 725,1450.43 725,1345 ; C35.1@374.01,976 380.01,982 v1(400,982) ; v1(382,195.88) C32.1@382,248.6 ; U9.4@450,624.66 U9.3@500,624.66 U9.1@600,624.66 ; R23.2@523.46,866 R24.2@523.46,908 ; C38.1@529.4,1158 v1(559.4,1158) ; C39.1@529.4,1240 v1(559.4,1240) ; C40.1@529.4,1322 v1(559.4,1322) ; v1(612.28,1394.25) v1(575,1431.53) 575,1433.06 v1(617.31,1475.37) ; C47.1@632.78,1324.51 C47.1@632.28,1325 632.28,1347.28 655,1370 700,1370 v1@708.54,1361.46 ; v1(635,341.97) v1(665,341.97) C42.2@695,341.97 ; v1(635,491.97) 655.17,491.97 663.19,483.95 v1(667,483.95) ; v1(635,521.97) v1(665,521.97) ; v1(635,551.97) v1(665,551.97) ; v1(635,581.97) v1(665,581.97) v1(665,551.97) ; v1(637.29,300) v1(667.29,300) ; v1(640.05,1168.22) v1(640.05,1115.5) v1(677.33,1078.23) ; P4.6@654.43,198.46 654.43,283.17 667.29,296.03 v1(667.29,300) ; v1(691.86,1400.82) v1(654.59,1438.09) v1(617.31,1475.37) ; v1(705,1357.93) 709.87,1357.93 715.18,1352.61 717.39,1352.61 725,1345 ; v1(790.51,1347) 765.43,1347 IC1.1@760.51,1342.09 727.91,1342.09 725,1345 ; U7.2@795.94,340 793.97,341.97 C43.2@736.33,341.97 C42.2@695,341.97 ; U3.2@795.94,490 793.97,491.97 C23.2@736.33,491.97 678.83,491.97 670.8,483.95 v1(667,483.95) ; v1(839.61,1347) 843.54,1343.06 891.34,1343.06 v1@892.32,1342.09 ; v1(892.32,1347) v1@892.32,1342.09 ; v1(945.04,1347) v1@945.04,1342.09 ; v1(960.83,983.03) IC1.45@990.83,983.03 v1(990.83,953.03) v1(938.11,953.03) 966.14,925 v1(967.11,925) ; v1(960.83,1038.15) IC1.44@990.83,1038.15 ; v1(960.83,1093.27) IC1.43@990.83,1093.27 v1(990.83,1123.27) ; v1(975,236.54) v1(975,289.26) C44.2@975,341.97 C45.2@1016.43,341.97 ; C24.2@975,474.57 C25.2@1016.43,474.57 1020.41,478.56 1038.56,478.56 v1(1042,482) ; v1(997.76,1347) v1@997.76,1342.09 ; v1(1016.43,236.54) v1(1016.43,289.26) C45.2@1016.43,341.97 ; v1(1045.94,953.03) IC1.46@1045.94,983.03 ; IC1.42@1045.94,1093.27 v1(1045.94,1123.27) ; v1(1046.43,341.97) C45.2@1016.43,341.97 ; v1(1050.47,1347) v1@1050.47,1342.09 ; v1(1101.06,953.03) IC1.47@1101.06,983.03 v1(1131.06,983.03) ; IC1.48@1101.06,1038.15 v1(1131.06,1038.15) ; v1(1101.06,1123.27) IC1.49@1101.06,1093.27 v1(1131.06,1093.27) ; v1(1103.19,1347) v1@1103.19,1342.09 ; v1(1155.91,1347) v1@1155.91,1342.09 ; P1.3@1197.54,202.99 v1(1197.54,255.71) ; v1(1208.62,1347) v1@1208.62,1342.09 ; v1(1261.34,1347) v1@1261.34,1342.09 ; v1(1314.05,1347) v1@1314.05,1342.09 ; v1(1358.42,31.57) v1(1411.14,31.57) v1(1463.85,31.57) v1(1516.57,31.57) 1550,31.57 C18.1@1585.65,67.22 C11.1@1614.97,37.9 ; v1(1366.77,1347) v1@1366.77,1342.09 ; C4.1@1372.47,507.53 1372.9,507.53 1403.51,538.13 C17.1@1403.94,538.13 ; v1(1419.49,1347) v1@1419.49,1342.09 ; IC1.40@1449.49,1342.09 v1@1419.49,1342.09 ; IC1.40@1465,1340 v1(1502.28,1377.28) v1(1539.55,1414.55) v1(1539.55,1467.27) v1(1539.55,1519.99) ; P3.6@1596.57,1428.54 v1(1596.57,1481.26) v1(1649.29,1481.26) v1(1702.01,1481.26) v1(1754.72,1481.26) v1(1807.44,1481.26) v1(1860.16,1481.26) ; C5.1@1620,732.72 1620,760 v1(1625,765) ; U1.18@1665.97,629.98 1700.95,595 1725,595 1730,600 v1(1730,645) ; v1(1780,445) 1814.1,479.1 1814.1,566.54 U1.12@1835.78,588.22 1876.77,629.2 1876.77,653.45 1889.92,666.61 C27.2@1889.92,666.94 C26.2@1918.21,695.22 ; v1(1900.27,1369.79) v1(1937.54,1407.06) ; v1(1952.25,564.1) 1950,566.35 1950,575.51 1963.65,589.15 1963.65,628.65 2020,685 v1(2034.81,685) 2049.09,670.72 X1.4@2064.48,670.72 2065.87,669.33 2091.54,695 v1(2115,695) v1(2170,640) 2190,620 2190,595.05 v1(2166.74,571.79) C6.1@2107.47,512.53 C7.1@2077.47,482.53 2076.08,481.14 2069.19,481.14 2067.8,482.53 v1(2052.47,482.53) 2045.77,489.24 2045.77,500.36 2044.37,501.75 C1.2@2044.37,508.64 ; U1.63@1974.98,320.97 2034.87,261.08 2071.14,261.08 C12.1@2072.53,262.47 v1(2092.51,242.49) v1@2092.51,237.51 ; v1(1996.36,508.64) C1.2@2044.37,508.64 ; R5.2@2011.14,203.86 2012.53,205.25 2060.25,205.25 v1@2092.51,237.51 ; C1.2@2045.77,510.04 C1.2@2044.37,508.64 ; 2229.37,201.46 2096.03,201.46 2092.51,204.97 v1@2092.51,237.51 ; C50.2@2257.62,1432.11 C51.2@2297.62,1432.11 2293.37,1427.86 R25.1@2293.37,1392.07 ; v1(2294.29,359.13) RST1.2@2294.29,306.42 RST1.2@2294.29,483.58 ; 1.40@2380,1344.61 v1(2380,1380) ; v1(2452.49,399.91) v1@2456.26,396.14 ; 2456.26,357.43 v1@2456.26,396.14 ; v1(2489.76,437.19) v1@2493.54,433.42 ; v1(2503.41,1328.26) v1(2503.41,1275.55) v1(2540.68,1238.27) v1(2577.96,1200.99) v1(2577.96,1148.28) v1(2577.96,1095.56) v1(2577.96,1042.84) v1(2577.96,990.13) v1(2577.96,937.41) v1(2577.96,884.69) v1(2577.96,831.98) v1(2577.96,779.26) v1(2577.96,726.54) v1(2577.96,673.83) v1(2577.96,621.11) v1(2577.96,568.39) v1(2577.96,515.68) 2577.96,462.96 2555,440 2500.12,440 v1@2493.54,433.42 ; v1(665,521.97) 666,520.97 666,484.95 v1(667,483.95) ; v1(665,521.97) v1(665,551.97) ; v1(667.29,300) R15.2@697.29,300 697.29,339.68 C42.2@695,341.97 ; v1@892.32,1342.09 v1@945.04,1342.09 ; v1@945.04,1342.09 v1@997.76,1342.09 ; v1@997.76,1342.09 v1@1050.47,1342.09 ; v1@1050.47,1342.09 v1@1103.19,1342.09 ; v1@1103.19,1342.09 v1@1155.91,1342.09 ; v1@1155.91,1342.09 v1@1208.62,1342.09 ; v1@1208.62,1342.09 v1@1261.34,1342.09 ; v1@1261.34,1342.09 v1@1314.05,1342.09 ; v1@1314.05,1342.09 v1@1366.77,1342.09 ; v1@1366.77,1342.09 v1@1419.49,1342.09 ; v1@2456.26,396.14 v1@2493.54,433.42
  Bottom Layer w6: v1(1937.54,1407.06) v1(1937.54,1437.06) v1(1937.54,1467.06) v1(1937.54,1497.06) ; v1(2245,750) 2271.22,750 D1.2@2276.22,755 ; v1(2435,805) v1(2465,805) ; v1(2465,775) v1(2465,805) ; v1(2465,835) v1(2465,805) ; v1(2495,805) v1(2465,805)
  other v1: 305,110 405,110 1005,110 2405,110 1414.02,180.98 255,210 355,210 1055,210 2555,210 1285,213.11 1285,247.07 1285,281.04 1355.84,363.86 1294,395.98 1354,395.98 955,410 2255,410 2294.29,411.85 2405,510 155,610 655,610 755,610 2255,610 1790.65,700.65 1171.28,704.78 905,710 1005,710 1060.08,709.92 216,726 258,726 1147.26,728.8 1036.06,733.94 1826.01,736.01 1123.24,752.81 1012.05,757.95 216,768 258,768 1861.37,771.37 1099.23,776.83 988.03,781.97 1075.21,800.85 964.02,805.98 216,810 258,810 855,810 1155,810 1255,810 1705.55,843.55 550,864 914.17,864.17 994.02,870.98 1740.9,878.9 523.46,887 705,910 1105,910 1205,910 1776.26,914.26 810.98,949.02 1811.61,949.61 1846.97,984.97 1155,1010 1255,1010 1505,1010 2455,1010 864.02,1015.98 1882.32,1020.32 1900,1038 840,1040 701.34,1054.21 1505,1060 815.98,1064.02 605,1110 905,1110 1205,1110 1305,1110 1505,1110 1605,1110 709.02,1170.98 709.02,1204.95 855,1210 955,1210 1055,1210 1255,1210 1355,1210 605,1310 704.27,1329.77 478,1410 555,1410 1855,1410 2355,1410 2555,1410 2265,1430 2297.62,1430 166.07,1435.44 200.04,1435.44 277.96,1452 311.93,1452 440,1461.28 473.96,1461.28 541.89,1461.28 166.07,1469.4 200.04,1469.4 1605,1510 2005,1510 2105,1510 355,1525 456.89,1525 490.85,1525 524.82,1525 2265,1565 2297.62,1565 1655,1610 1755,1610 1955,1610 2055,1610 2355,1610 2555,1610 300,1655 325,1655 30,1665 55,1665 300,1680 325,1680 30,1690 55,1690 175,1695 300,1705 325,1705 30,1715 55,1715 455,1810 555,1810 105,1910 305,1910 405,1910 505,1910 155,2010 255,2010 355,2010 455,2010 555,2010 655,2010
GPIO0: IC1.27 R20.7 | length 721.9
  Top Layer w6: IC1.27@1449.49,692.09 1451.9,694.5 1484.5,694.5 1526,736 1526,928 1580,982 1580,1160 1689.84,1269.84 R20.7@1689.84,1295.32
KEY/GSET/IDA1: R21.1 U5.20 | length 98.3
  Top Layer w6: U5.20@393.43,786.07 485.93,786.07 R21.1@490,782
KEY/GSET/IDA2: R22.1 U5.21 | length 106.9
  Top Layer w6: U5.21@393.43,801.82 469.79,801.82 490,822.03 R22.1@490,824
KEY_POS1: 1.11 U1.8 | length 617.1
  Top Layer w6: U1.8@1891.46,532.55 1935,576.08 1935,625 2083.74,773.74 1.11@2380,773.74
KEY_POS2: 1.12 U1.9 | length 627
  Top Layer w6: U1.9@1877.54,546.46 1920,588.92 1920,626.97 2086.45,793.43 1.12@2380,793.43
KEY_POS3: 1.13 U1.10 | length 637
  Top Layer w6: U1.10@1863.62,560.38 1905,601.76 1905,628.94 2089.17,813.11 1.13@2380,813.11
KEY_POS4: 1.14 U1.11 | length 646.9
  Top Layer w6: U1.11@1849.71,574.3 1890,614.59 1890,630.91 2091.88,832.8 1.14@2380,832.8
KEY_POS5: 1.15 U1.24 | length 1292.7
  Top Layer w6: U1.24@1582.46,546.46 1583.54,546.46 1650,480 1705,480 1775,410 v1(1775,365) ; v1(2305,870) 2322.52,852.48 1.15@2380,852.48
  Bottom Layer w6: v1(1775,365) 1822,412 1822,608.18 2135.82,922 2285.7,922 2305,902.7 v1(2305,870)
KEY_POS6: 1.16 U1.25 | length 1283.7
  Top Layer w6: U1.25@1568.54,532.55 1641.08,460 1688.03,460 1735,413.03 v1(1735,365) ; v1(2335,900) 2335,881.43 2344.26,872.17 1.16@2380,872.17
  Bottom Layer w6: v1(1735,365) 1810,440 1810,615 2129,934 2301,934 v1(2335,900)
KEY_POS7: 1.17 U1.37 | length 1523.7
  Top Layer w6: U1.37@1526.78,279.22 1567.56,320 1605,320 v1(1625,340) ; 1.17@2380,891.85 2473.15,891.85 v1(2505,860)
  Bottom Layer w6: v1(1625,340) 1680,340 1740,400 1740,563.03 2122.97,946 2320.06,946 2406.06,860 v1(2505,860)
KEY_POS8: 1.18 U1.38 | length 1514.3
  Top Layer w6: U1.38@1540.7,265.29 1575.41,300 1614.7,300 1655,340.3 v1(1655,365) ; 1.18@2380,911.54 2488.46,911.54 v1(2505,895)
  Bottom Layer w6: v1(1655,365) 1679.7,365 1728,413.3 1728,568 2118,958 2325.03,958 2388.03,895 v1(2505,895)
KEY_POS9: 1.19 U1.39 | length 1513.5
  Top Layer w6: U1.39@1554.62,251.38 1588.24,285 1630,285 1705,360 1705,413.33 v1(1701.67,416.67) ; 1.19@2380,931.22 2380.61,930.61 2503.17,930.61 2503.78,931.22 v1(2505,930)
  Bottom Layer w6: v1(1701.67,416.67) 1715,430 1715,575 2110,970 2330,970 2370,930 v1(2505,930)
KEY_POS10: 1.20 U1.53 | length 1521.9
  Top Layer w6: U1.53@1835.78,181.78 1898.56,119 1967.67,119 v1(2010,161.33) ; 1.20@2380,950.91 2489.4,950.91 2503.49,965 v1(2505,965)
  Bottom Layer w6: v1(2010,161.33) 2251.33,161.33 2533,443 2533,937 v1(2505,965)
KEY_POS11: 1.21 U1.54 | length 1559.3
  Top Layer w6: U1.54@1849.71,195.7 1905.41,140 v1(1945,140) ; 1.21@2380,970.59 2475.59,970.59 v1(2505,1000)
  Bottom Layer w6: v1(1945,140) 2250,140 2545,435 2545,960 v1(2505,1000)
KEY_POS12: 1.22 U1.2 | length 1108.9
  Top Layer w6: v1(1832.65,387.35) 1913.3,387.35 U1.2@1974.98,449.03 ; v1(2279,899) 2279,900 2280,901 2280,930 2340.28,990.28 1.22@2380,990.28
  Bottom Layer w6: v1(1832.65,387.35) 1834,388.7 1834,602.94 2131.06,900 2278,900 v1(2279,899)
KEY_POS13: 1.23 U1.3 | length 1041.3
  Top Layer w6: v1(1855,415) 1913.12,415 U1.3@1961.06,462.94 ; v1(2245,879) 2245,930 2324.96,1009.96 1.23@2380,1009.96
  Bottom Layer w6: v1(1855,415) 1854,416 1854,605.97 2128.03,880 2244,880 v1(2245,879)